# Altium PCB LT3762_Board.PcbDoc (part 1 of 2)
Units mm, origin at the board's own origin, x right, y up, seen from the top; angles counter-clockwise.
Board outline 150 x 110 mm, 2 copper layers (Top Layer, Bottom Layer), stack 1.571 mm thick; 122 components, 141 nets, 506 pads, 204 vias.
Unrouted connection lines stored in the file: 181.
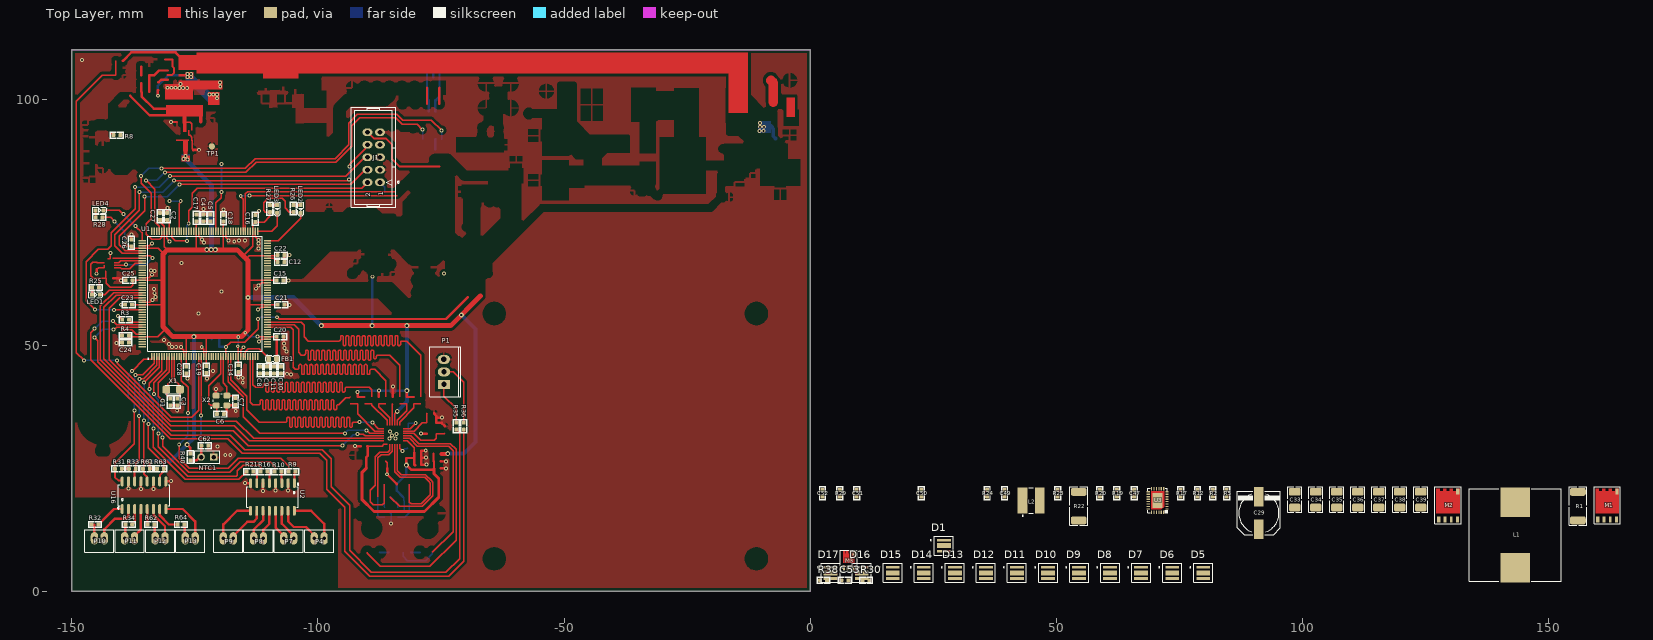
[diagram p0: Top Layer view]
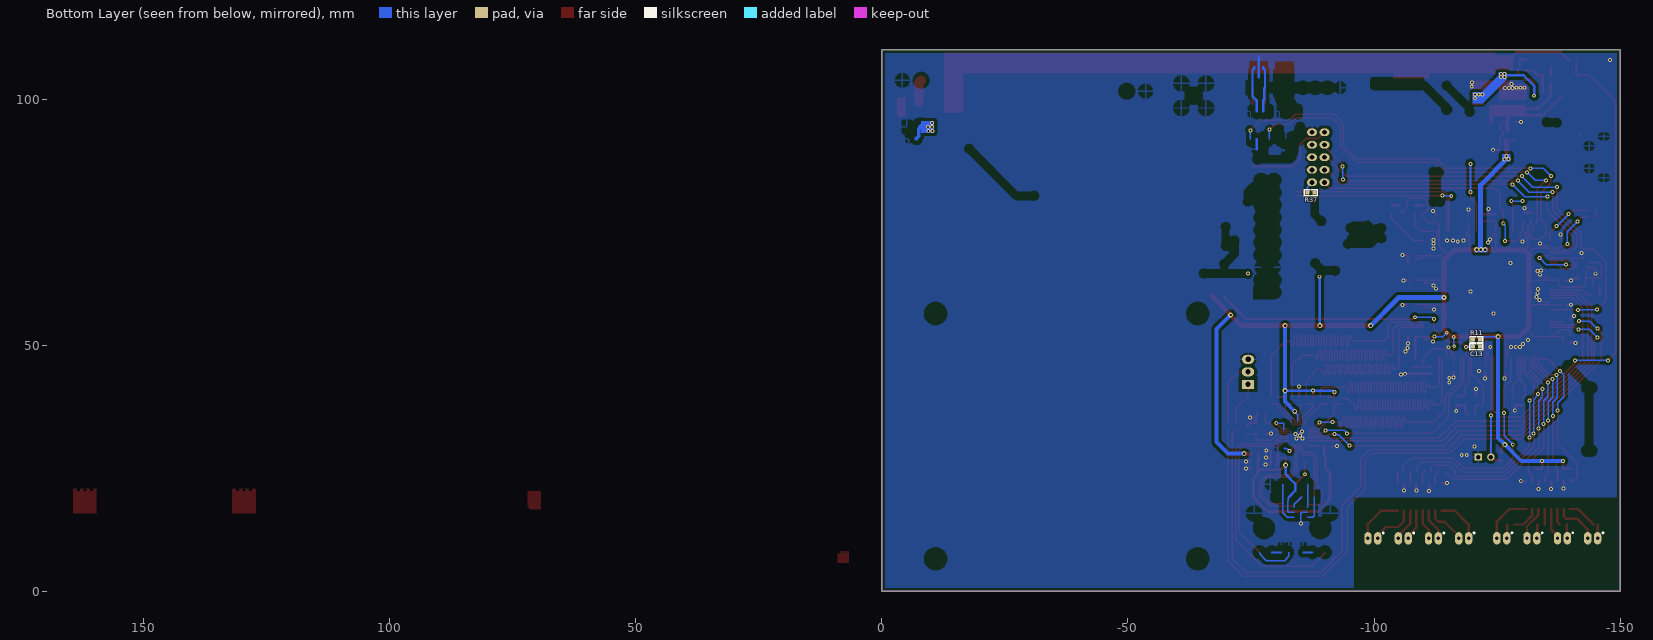
[diagram p1: Bottom Layer view, seen from below]

## Layer stack, top to bottom
Top Solder: solder mask 0.0102, Solder Resist, Dk 3.5
Top Layer: signal copper 0.0356
Dielectric 1: dielectric 1.5, FR-4, Dk 4.8
Bottom Layer: signal copper 0.0356
Bottom Solder: solder mask 0.0102, Solder Resist, Dk 3.5

## Board outline
-149.996,0.006 -149.996,110.006 0.004,110.006 0.004,0.006

## Design rules (kind name [scope] priority, off if disabled: settings)
AcuteAngle [All] p1 off: minimum=4.00000000000000E+0001 checktracksonly=TRUE
BoardOutlineClearance [All] p1: gap=0.2 ignorepadtopadclearanceinfootprint=FALSE
Clearance Poly_Clearance [All vs InPolygon] p1: gap=0.6 ignorepadtopadclearanceinfootprint=TRUE
Clearance [All] p2: gap=0.2 ignorepadtopadclearanceinfootprint=TRUE
DiffPairsRouting [IsDifferentialPair] p1: maxlimit=0.2 minlimit=0.2 mostfreqgap=0.2 toplayer_minwidth=0.3 toplayer_maxwidth=0.3 toplayer_prefwidth=0.3 bottomlayer_minwidth=0.3 bottomlayer_maxwidth=0.3 bottomlayer_prefwidth=0.3 impedanceprofiledriven=TRUE impedanceprofileid={2EFD21D1-4BE4-4069-921C-6C90A30C849C} impedanceprofilevalue=100.000000 maxuncoupledlength=12.7
HoleSize [All] p1: absolutevalues=TRUE maxlimit=10 minlimit=0.4 maxpercent=80.000 minpercent=20.000
HoleToHoleClearance [All] p1: gap=0.3 allowstackedmicrovias=TRUE
MatchedLengths [InNetClass('ETHERNET')] p1: tolerance=10 checknetsindiffpair=FALSE checkdiffpairvsdiffpair=TRUE checkxsignals=TRUE checkothers=TRUE
MinimumAnnularRing [All] p1: minimumring=0.15
MinimumSolderMaskSliver [All] p1: minsoldermaskwidth=0.01
PolygonConnect [All] p1: thpad.connectstyle=Relief thpad.reliefconductorwidth=0.4 thpad.reliefentries=4 thpad.polygonreliefangle="90 Angle" thpad.airgapwidth=0.4 smdpad.connectstyle=Relief smdpad.reliefconductorwidth=0.4 smdpad.reliefentries=4 smdpad.polygonreliefangle="90 Angle" smdpad.airgapwidth=0.254 via.connectstyle=Direct via.reliefconductorwidth=0.4 via.reliefentries=4 via.polygonreliefangle="90 Angle" via.airgapwidth=0.254
RoutingVias [All] p1: holewidth=0.4 width=0.7 viastyle="Through Hole" minholewidth=0.4 minwidth=0.7 maxholewidth=3 maxwidth=6
SilkToSolderMaskClearance [IsPad] p1 off: minsilkscreentomaskgap=0.01 clearancetoexposedcopper=TRUE
SolderMaskExpansion [All] p1: expansion=0.102 istentingtop=FALSE
SupplyNets "Schematic Supply Nets_6" [InNet('GND')] p1: voltage=0.000
SupplyNets "Schematic Supply Nets_4" [InNet('VDDA')] p2: voltage=0.000
SupplyNets "Schematic Supply Nets_2" [InNet('VBUS_FS1')] p3: voltage=0.000
SupplyNets "Schematic Supply Nets_1" [InNet('VDD_MCU')] p4: voltage=0.000
SupplyNets "Schematic Supply Nets" [InNet('Vin_Pr')] p5: voltage=0.000
Width [All] p1: maxlimit=2 minlimit=0.28 preferedwidth=0.5
25 further rules are at their usual default settings.

## Classes and differential pairs
component class Designator: C29 C33 C34 C35 C36 C37 C38 C39 C47 C49 C50 C51 C52 D1 D5 D6 D7 D8 D9 D10 D11 D12 D13 D14 D15 D16 D17 L1 L2 M1 M2 M3 R1 R2 R5 R12 R17 R19 R20 R22 R23 R24 R29 U3
component class STM32H743IIT6: C1 C2 C3 C4 C5 C6 C7 C8 C9 C10 C11 C12 C13 C14 C15 C16 C17 C18 C19 C20 C21 C22 C23 C24 C25 C26 C27 C28 C53 C62 FB1 J1 LED1 LED2 LED3 LED4 NTC1 P1 P4 P7 P8 P9 P10 P11 P12 P13 R3 R4 R8 R9 R10 R11 R16 R21 R25 R26 R27 R28 R30 R31 R32 R33 R34 R35 R36 R37 R38 R40 R61 R62 R63 R64 TP1 U1 U2 U16 X1 X2

## Components (designator, comment, footprint, x,y, rotation, side; value= is the part's Value field where it differs from the comment)
C1 "1.5pF" C0603 -129.997,38.481 r270 top value=100nF
C2 "2.2uF" C0603 -130.632,76.163 r90 top value=10nF
C3 "1.5pF" C0603 -128.575,38.481 r270 top value=100nF
C4 "1uF" C0603 -123.215,75.844 r270 top value=10nF
C5 "100nF" C0603 -121.793,75.844 r270 top value=10nF
C6 "3.9pF" C0603 -119.812,36.017 r0 top
C7 "3.9pF" C0603 -116.738,38.557 r270 top
C8 "1uF" C0603 -111.76,44.933 r90 top value=10nF
C9 "100nF" C0603 -110.338,44.933 r90 top value=10nF
C10 "1uF" C0603 -107.493,44.933 r90 top value=10nF
C11 "100nF" C0603 -108.915,44.933 r90 top value=10nF
C12 "2.2uF" C0603 -107.518,66.878 r180 top value=10nF
C13 "100nF" C0603 -120.769,49.701 r0 bottom value=100pF
C14 "100nF" C0603 -116.154,45.226 r270 top
C15 "100nF" C0603 -107.696,63.17 r0 top
C16 "100nF" C0603 -112.725,75.706 r90 top
C17 "100nF" C0603 -124.689,75.859 r90 top
C18 "100nF" C0603 -119.177,75.782 r90 top
C19 "100nF" C0603 -122.682,45.06 r270 top
C20 "100nF" C0603 -107.656,51.714 r0 top
C21 "100nF" C0603 -107.467,58.217 r0 top
C22 "100nF" C0603 -107.518,68.301 r0 top
C23 "100nF" C0603 -138.444,58.217 r180 top
C24 "100nF" C0603 -139.079,50.521 r180 top
C25 "100nF" C0603 -138.328,63.195 r180 top
C26 "100nF" C0603 -137.897,70.779 r90 top
C27 "100nF" C0603 -132.08,76.163 r90 top
C28 "100nF" C0603 -126.746,44.969 r270 top
C29 "100uF/35V" C_EL_D8L10 91.083,15.92 r90 top value=220uF
C33 "10uF/50V" C1210 98.373,18.638 r90 top value=-F
C34 "10uF/50V" C1210 102.64,18.638 r90 top value=-F
C35 "10uF/50V" C1210 106.907,18.638 r90 top value=-F
C36 "4.7uF/100V" C1210 111.174,18.638 r90 top value=-F
C37 "4.7uF/100V" C1210 115.442,18.638 r90 top value=-F
C38 "4.7uF/100V" C1210 119.709,18.638 r90 top value=-F
C39 "4.7uF/100V" C1210 123.976,18.638 r90 top value=-F
C47 "100nF" C0603 65.759,19.934 r90 top
C49 "4.7nF" C0603 39.445,19.934 r90 top value=100nF
C50 "100nF" C0603 22.554,19.934 r90 top
C51 "100nF" C0603 9.397,19.934 r90 top
C52 "10uF" C0603 2.462,19.934 r90 top value=100nF
C53 "100nF" C0603 7.009,2.255 r0 top value=100pF
C62 "100nF" C0603 -122.973,29.591 r180 top value=100pF
D1 "SFH_4716AS_A01" LED_SFH_4716AS_A01 27.127,9.289 r0 top
D5 "SFH_4716AS_A01" LED_SFH_4716AS_A01 79.805,3.754 r0 top
D6 "SFH_4716AS_A01" LED_SFH_4716AS_A01 73.506,3.754 r0 top
D7 "SFH_4716AS_A01" LED_SFH_4716AS_A01 67.182,3.754 r0 top
D8 "SFH_4716AS_A01" LED_SFH_4716AS_A01 60.882,3.754 r0 top
D9 "SFH_4716AS_A01" LED_SFH_4716AS_A01 54.583,3.754 r0 top
D10 "SFH_4716AS_A01" LED_SFH_4716AS_A01 48.284,3.754 r0 top
D11 "SFH_4716AS_A01" LED_SFH_4716AS_A01 41.959,3.754 r0 top
D12 "SFH_4716AS_A01" LED_SFH_4716AS_A01 35.66,3.754 r0 top
D13 "SFH_4716AS_A01" LED_SFH_4716AS_A01 29.361,3.754 r0 top
D14 "SFH_4716AS_A01" LED_SFH_4716AS_A01 23.036,3.754 r0 top
D15 "SFH_4716AS_A01" LED_SFH_4716AS_A01 16.737,3.754 r0 top
D16 "SFH_4716AS_A01" LED_SFH_4716AS_A01 10.438,3.754 r0 top
D17 "SFH_4716AS_A01" LED_SFH_4716AS_A01 4.113,3.754 r0 top
FB1 "BLM18KG221SN1D" L0603E -109.195,47.219 r180 top value=100uH
J1 "IDC_2X5" IDC_2X5 -88.671,88.163 r90 top
L1 "10uH, 16.5A" WE-HCI_1890 143.128,11.45 r0 top
L2 "47uH, 0.66A" WE-SPC_4828 44.83,18.46 r90 top
LED1 "LED603BLU" LED0603BLU -145.097,60.249 r0 top
LED2 "LED603GRN" LED0603GRN -103.505,77.648 r270 top
LED3 "LED603RED" LED0603RED -108.28,77.662 r270 top
LED4 "LED603YLW" LED0603YLW -144.336,77.394 r0 top
M1 "BSC019N04LS" PG-TDSON-8 161.822,17.47 r0 top
M2 "BSC019N04LS" PG-TDSON-8 129.513,17.47 r0 top
M3 "SiS443DN" POWERPAK-1212-8-S-5P 6.863,4.745 r0 top
NTC1 "PT103J2" HDR1X2 -121.183,27.286 r180 top
P1 "XH-3" xh-3 -74.399,42.037 r90 top
P4 "JST PH 2mm 2P RIGHT" "JST B2B-PH-K" -99.755,10.77 r0 top
P7 "JST PH 2mm 2P RIGHT" "JST B2B-PH-K" -105.927,10.77 r0 top
P8 "JST PH 2mm 2P RIGHT" "JST B2B-PH-K" -112.065,10.77 r0 top
P9 "JST PH 2mm 2P RIGHT" "JST B2B-PH-K" -118.196,10.77 r0 top
P10 "JST PH 2mm 2P RIGHT" "JST B2B-PH-K" -144.39,10.795 r0 top
P11 "JST PH 2mm 2P RIGHT" "JST B2B-PH-K" -138.252,10.795 r0 top
P12 "JST PH 2mm 2P RIGHT" "JST B2B-PH-K" -132.055,10.795 r0 top
P13 "JST PH 2mm 2P RIGHT" "JST B2B-PH-K" -125.943,10.795 r0 top
R1 "RLP25FEGR005" R2512 155.878,17.317 r90 top value=10K
R2 "499K" R0603 81.736,19.934 r90 top value=1M
R3 "10K" R0603 -139.04,55.169 r180 top value=1K
R4 "10K" R0603 -139.079,51.968 r180 top value=1K
R5 "499k" R0603 84.555,19.934 r90 top
R8 "10K" R0603 -140.829,92.659 r0 top value=1K
R9 "220" R0603 -105.232,24.333 r0 top value=1K
R10 "220" R0603 -108.077,24.333 r0 top value=1K
R11 "10K" R0603 -120.78,51.149 r0 bottom value=1K
R12 "1M" R0603 78.637,19.934 r90 top
R16 "220" R0603 -110.936,24.333 r0 top value=1K
R17 "226k" R0603 75.233,19.934 r90 top
R19 "49.9K" R0603 62.254,19.934 r90 top value=205k
R20 "23.2K" R0603 58.8,19.934 r90 top value=36.5k
R21 "220" R0603 -113.792,24.333 r0 top value=1K
R22 "RLP25FEGR100" R2512 54.507,17.317 r90 top value=10K
R23 "10K" R0603 50.214,19.934 r90 top value=1K
R24 "2.7K" R0603 35.889,19.934 r90 top value=1K
R25 "220" R0603 -145.15,61.722 r180 top value=1K
R26 "220" R0603 -104.978,77.748 r90 top value=1K
R27 "220" R0603 -109.753,77.738 r90 top value=1K
R28 "220" R0603 -144.424,75.946 r180 top value=1K
R29 "19.6K" R0603 5.993,19.934 r90 top value=1K
R30 "100K" R0603 11.327,2.255 r0 top
R31 "4.7K" R0603 -140.524,24.892 r0 top value=1K
R32 "220" R0603 -145.277,13.589 r0 top value=1K
R33 "4.7K" R0603 -137.693,24.892 r180 top value=1K
R34 "220" R0603 -138.416,13.589 r0 top value=1K
R35 "22" R0603 -71.882,33.565 r270 top value=1K
R36 "22" R0603 -70.383,33.553 r270 top value=1K
R37 "NA" R0603 -87.16,80.977 r180 bottom value=1K
R38 "10K" R0603 2.691,2.255 r0 top
R40 "4.7K" R0603 -125.908,27.305 r270 top value=1K
R61 "4.7K" R0603 -134.849,24.892 r0 top value=1K
R62 "220" R0603 -133.898,13.589 r180 top value=1K
R63 "4.7K" R0603 -131.99,24.892 r180 top value=1K
R64 "220" R0603 -127.827,13.589 r180 top value=1K
TP1 "TEST POINT" TEST_POINT -121.539,90.373 r90 top
U1 "STM32H743IIT6" QFP50P2600X2600X160-176N -122.961,60.427 r90 top locked
U2 "TLP281-4" SO_16 -109.245,19.177 r270 top
U3 "LT3762EUFD" QFN-28-4X5 70.534,18.486 r90 top
U16 "TLP281-4" SO_16 -135.306,19.533 r90 top
X1 "ABS07-32.768KHZ-T" XTL_2_3215 -129.413,40.996 r180 top value=XTL_32.768KHz
X2 "XTL_25MHz 32x25" XTL_4_3225 -119.583,38.76 r90 top

## Footprints (in the part's own frame and the unit in brackets; to place one, negate y for a bottom-side part, rotate by r counter-clockwise, add the part's x,y. Pads: shape width x height; smd on the part's side, far side on the other; paste and mask are expansions set on the pad)
C0603 [mm] "CHIP Capacitor, 1.6X0.8mm, 0603 OPTIMIZED"
  rrect50% 0.8x0.8 smd paste-5 mask+0.075: 1(-0.7,0) 2(0.7,0)
  Top Layer pour cut-out: -0.5,0.4 0.5,0.4 0.5,-0.4 -0.5,-0.4
  silkscreen extent -1.4,-0.7 1.4,0.7, body extent -0.8,-0.4 0.8,0.4, height 0.9
C1210 [mm] "CHIP Capacitor, 3.2X2.5mm, 1210, 3225"
  rrect50% 1.6x2.4 smd paste-0.1 mask+0.075: 1(-1.6,0) 2(1.6,0)
  Top Layer pour cut-out: -0.8,1.3 -0.8,-1.3 0.8,-1.3 0.8,1.3
  silkscreen extent -2.6,-1.4 2.6,1.4, body extent -1.6,-1.25 1.6,1.25, height 1
C_EL_D8L10 [mm] "Electrolytic Cap, Size E, Size F, 8.3X10"
  rect 4x2 smd: 1(-3.3,0) 2(3.3,0)
  Top Layer pour cut-out: 2.794,4.191 2.794,-4.191 -2.794,-4.191 -2.794,4.191
  silkscreen extent -4.4,-4.4 4.4,4.4, body extent -4.9,-4.25 4.8,4.25, height 10.3
HDR1X2 [mm] "Connector; Header; 2 Position"
  rect 1.5x1.5 hole 0.9: 1(0,0)
  round 1.5 hole 0.9: 2(2.54,0)
  silkscreen extent -1.27,-1.27 3.81,1.27
IDC_2X5 [mm] "IDC, HEADER BOX 2X5, 10p, 2.54mm pitch"
  oval 1.5x2 hole 1 mask+0.1: 1(-5.08,-1.27) 2(-5.08,1.27) 3(-2.54,-1.27) 4(-2.54,1.27) 5(0,-1.27) 6(0,1.27) 7(2.54,-1.27) 8(2.54,1.27) 9(5.08,-1.27) 10(5.08,1.27)
  silkscreen extent -10.16,-5.2 10.16,4.6, body extent -10.18,-4.42 10.18,4.75, height 9.13
"JST B2B-PH-K" [mm]
  oval 1.5x2.5 hole 0.7: 1(-1,0) 2(1,0)
  silkscreen extent -2.95,-2.8 2.95,1.7, body extent -2.95,-2.8 2.95,1.7, height 6
L0603E [mm] "INDUCTOR, FERRITE BEAD, 0603, 1.6X0.8mm, EXPANDED PAD"
  rrect50% 1x1.2 smd mask+0.05: 1(-0.8,0) 2(0.8,0)
  silkscreen extent -1.43,-0.72 1.43,0.72, body extent -0.8,-0.4 0.8,0.4, height 0.95
LED0603BLU [mm] "LED SMD 0603, BLUE"
  rect 0.8x0.8 smd paste-5 mask+0.075: 1(-0.8,0)
  rrect50% 0.8x0.8 smd paste-5 mask+0.075: 2(0.8,0)
  silkscreen extent -1.4,-0.6 1.4,0.6, body extent -0.8,-0.4 0.8,0.4, height 0.5
LED0603GRN [mm] "LED SMD 0603, GREEN"
  rect 0.8x0.8 smd paste-5 mask+0.075: 1(-0.8,0)
  rrect50% 0.8x0.8 smd paste-5 mask+0.075: 2(0.8,0)
  silkscreen extent -1.4,-0.6 1.4,0.6, body extent -0.8,-0.4 0.8,0.4, height 0.5
LED0603RED [mm] "LED SMD 0603, RED"
  rect 0.8x0.8 smd paste-5 mask+0.075: 1(-0.8,0)
  rrect50% 0.8x0.8 smd paste-5 mask+0.075: 2(0.8,0)
  silkscreen extent -1.4,-0.6 1.4,0.6, body extent -0.8,-0.4 0.8,0.4, height 0.5
LED0603YLW [mm] "LED SMD 0603, YELLOW"
  rect 0.8x0.8 smd paste-5 mask+0.075: 1(-0.8,0)
  rrect50% 0.8x0.8 smd paste-5 mask+0.075: 2(0.8,0)
  silkscreen extent -1.4,-0.6 1.4,0.6, body extent -0.8,-0.4 0.8,0.4, height 0.5
LED_SFH_4716AS_A01 [mm]
  rect 2.8x0.55 smd paste-2 mask+0: A1(0,-1.125) C(0,1.125)
  rect 2.8x1 smd paste-2 mask+0: A2(0,0)
  silkscreen extent -2.74,-1.92 1.92,1.92
PG-TDSON-8 [mm]
  rect 0.65x1.2 smd: 1(-1.905,-2.857) 4(1.905,-2.857)
  rect 0.55x1.2 smd: 2(-0.635,-2.857) 3(0.635,-2.857)
  rect 0.68x1.2 smd: 5(1.995,2.792)
  Top Layer region: -2.349,-1.613 2.337,-1.613 2.337,3.391 1.651,3.391 1.651,2.896 0.96,2.896 0.96,3.391 0.361,3.391 0.361,2.896 -0.37,2.896 -0.37,3.391 -0.97,3.391 -0.97,2.896 -1.664,2.896 -1.664,3.391 -2.349,3.391 -2.349,-1.613
  silkscreen extent -2.67,-3.75 2.67,3.75
POWERPAK-1212-8-S-5P [mil]
  rect 16x39 smd: 1(0,0) 2(25.6,0) 3(51.2,0) 4(76.8,0) 5(76.8,115.2)
  Top Layer region: 43.2,134.69 59.23,134.69 59.23,95.71 43.2,95.71 43.2,134.69
  Top Layer region: 17.61,134.7 33.64,134.7 33.64,95.71 17.61,95.71 17.61,134.7
  Top Layer region: -8.02,134.73 8.01,134.73 8.01,95.74 -8.02,95.74 -8.02,134.73
  Top Layer region: -5.91,112.6 82.28,112.6 82.28,44.09 -5.91,44.09 -5.91,112.6
  silkscreen extent -31,-26 106,141
QFN-28-4X5 [mm]
  rect 0.25x0.7 smd: 1(-1.75,-1.9) 2(-1.25,-1.9) 3(-0.75,-1.9) 4(-0.25,-1.9) 5(0.25,-1.9) 6(0.75,-1.9) 7(1.25,-1.9) 8(1.75,-1.9) 15(1.75,1.9) 16(1.25,1.9) 17(0.75,1.9) 18(0.25,1.9) 19(-0.25,1.9) 20(-0.75,1.9) 21(-1.25,1.9) 22(-1.75,1.9)
  rect 0.7x0.25 smd: 9(2.4,-1.25) 10(2.4,-0.75) 11(2.4,-0.25) 12(2.4,0.25) 13(2.4,0.75) 14(2.4,1.25) 23(-2.4,1.25) 24(-2.4,0.75) 25(-2.4,0.25) 26(-2.4,-0.25) 27(-2.4,-0.75) 28(-2.4,-1.25)
  rect 3x2 smd: 29(0,0)
  Top Layer region: -1.825,1.325 -1.825,-0.779 -1.279,-1.325 1.825,-1.325 1.825,1.325 -1.825,1.325
  silkscreen extent -2.5,-2.03 2.5,2
QFP50P2600X2600X160-176N [mm]
  rect 1.45x0.3 smd: 1(-12.725,10.75) 2(-12.725,10.25) 3(-12.725,9.75) 4(-12.725,9.25) 5(-12.725,8.75) 6(-12.725,8.25) 7(-12.725,7.75) 8(-12.725,7.25) 9(-12.725,6.75) 10(-12.725,6.25) 11(-12.725,5.75) 12(-12.725,5.25) 13(-12.725,4.75) 14(-12.725,4.25) 15(-12.725,3.75) 16(-12.725,3.25) 17(-12.725,2.75) 18(-12.725,2.25) 19(-12.725,1.75) 20(-12.725,1.25) 21(-12.725,0.75) 22(-12.725,0.25) 23(-12.725,-0.25) 24(-12.725,-0.75) 25(-12.725,-1.25) 26(-12.725,-1.75) 27(-12.725,-2.25) 28(-12.725,-2.75) 29(-12.725,-3.25) 30(-12.725,-3.75) 31(-12.725,-4.25) 32(-12.725,-4.75) 33(-12.725,-5.25) 34(-12.725,-5.75) 35(-12.725,-6.25) 36(-12.725,-6.75) 37(-12.725,-7.25) 38(-12.725,-7.75) 39(-12.725,-8.25) 40(-12.725,-8.75) 41(-12.725,-9.25) 42(-12.725,-9.75) 43(-12.725,-10.25) 44(-12.725,-10.75) 89(12.725,-10.75) 90(12.725,-10.25) 91(12.725,-9.75) 92(12.725,-9.25) 93(12.725,-8.75) 94(12.725,-8.25) 95(12.725,-7.75) 96(12.725,-7.25) 97(12.725,-6.75) 98(12.725,-6.25) 99(12.725,-5.75) 100(12.725,-5.25) 101(12.725,-4.75) 102(12.725,-4.25) 103(12.725,-3.75) 104(12.725,-3.25) 105(12.725,-2.75) 106(12.725,-2.25) 107(12.725,-1.75) 108(12.725,-1.25) 109(12.725,-0.75) 110(12.725,-0.25) 111(12.725,0.25) 112(12.725,0.75) 113(12.725,1.25) 114(12.725,1.75) 115(12.725,2.25) 116(12.725,2.75) 117(12.725,3.25) 118(12.725,3.75) 119(12.725,4.25) 120(12.725,4.75) 121(12.725,5.25) 122(12.725,5.75) 123(12.725,6.25) 124(12.725,6.75) 125(12.725,7.25) 126(12.725,7.75) 127(12.725,8.25) 128(12.725,8.75) 129(12.725,9.25) 130(12.725,9.75) 131(12.725,10.25) 132(12.725,10.75)
  rect 0.3x1.45 smd: 45(-10.75,-12.725) 46(-10.25,-12.725) 47(-9.75,-12.725) 48(-9.25,-12.725) 49(-8.75,-12.725) 50(-8.25,-12.725) 51(-7.75,-12.725) 52(-7.25,-12.725) 53(-6.75,-12.725) 54(-6.25,-12.725) 55(-5.75,-12.725) 56(-5.25,-12.725) 57(-4.75,-12.725) 58(-4.25,-12.725) 59(-3.75,-12.725) 60(-3.25,-12.725) 61(-2.75,-12.725) 62(-2.25,-12.725) 63(-1.75,-12.725) 64(-1.25,-12.725) 65(-0.75,-12.725) 66(-0.25,-12.725) 67(0.25,-12.725) 68(0.75,-12.725) 69(1.25,-12.725) 70(1.75,-12.725) 71(2.25,-12.725) 72(2.75,-12.725) 73(3.25,-12.725) 74(3.75,-12.725) 75(4.25,-12.725) 76(4.75,-12.725) 77(5.25,-12.725) 78(5.75,-12.725) 79(6.25,-12.725) 80(6.75,-12.725) 81(7.25,-12.725) 82(7.75,-12.725) 83(8.25,-12.725) 84(8.75,-12.725) 85(9.25,-12.725) 86(9.75,-12.725) 87(10.25,-12.725) 88(10.75,-12.725) 133(10.75,12.725) 134(10.25,12.725) 135(9.75,12.725) 136(9.25,12.725) 137(8.75,12.725) 138(8.25,12.725) 139(7.75,12.725) 140(7.25,12.725) 141(6.75,12.725) 142(6.25,12.725) 143(5.75,12.725) 144(5.25,12.725) 145(4.75,12.725) 146(4.25,12.725) 147(3.75,12.725) 148(3.25,12.725) 149(2.75,12.725) 150(2.25,12.725) 151(1.75,12.725) 152(1.25,12.725) 153(0.75,12.725) 154(0.25,12.725) 155(-0.25,12.725) 156(-0.75,12.725) 157(-1.25,12.725) 158(-1.75,12.725) 159(-2.25,12.725) 160(-2.75,12.725) 161(-3.25,12.725) 162(-3.75,12.725) 163(-4.25,12.725) 164(-4.75,12.725) 165(-5.25,12.725) 166(-5.75,12.725) 167(-6.25,12.725) 168(-6.75,12.725) 169(-7.25,12.725) 170(-7.75,12.725) 171(-8.25,12.725) 172(-8.75,12.725) 173(-9.25,12.725) 174(-9.75,12.725) 175(-10.25,12.725) 176(-10.75,12.725)
  silkscreen extent -13.32,-11.65 11.65,11.65, body extent -13,-13 13,13, height 1.6
R0603 [mm] "CHIP Resistor 1/10 WATT, 1.6x0.8mm, 0603, OPTIMIZED"
  rrect50% 0.8x0.8 smd paste-5 mask+0.075: 1(-0.7,0) 2(0.7,0)
  Top Layer pour cut-out: -0.5,0.4 0.5,0.4 0.5,-0.4 -0.5,-0.4
  silkscreen extent -1.4,-0.7 1.4,0.7, body extent -0.85,-0.4 0.85,0.4, height 0.56
R2512 [mm] "CHIP RESISTOR 1 WATT, 6.4X3.2mm, 2512, 6432"
  rrect50% 1.6x3.2 smd: 1(-2.9,0) 2(2.9,0)
  Top Layer pour cut-out: -2.4,1.9 2.4,1.9 2.4,-1.9 -2.4,-1.9
  silkscreen extent -3.9,-1.8 3.9,1.8, body extent -3.17,-1.5 3.18,1.5, height 1.6
SO_16 [mm] "SOP, SOIC, 3.9mm width, 1.27mm pitch,"
  oval 2x0.6 smd: 1(-2.8,4.445) 2(-2.8,3.175) 3(-2.8,1.905) 4(-2.8,0.635) 5(-2.8,-0.635) 6(-2.8,-1.905) 7(-2.8,-3.175) 8(-2.8,-4.445) 9(2.8,-4.445) 10(2.8,-3.175) 11(2.8,-1.905) 12(2.8,-0.635) 13(2.8,0.635) 14(2.8,1.905) 15(2.8,3.175) 16(2.8,4.445)
  silkscreen extent -2.8,-5.2 2.1,5.4, body extent -3.1,-4.95 3.1,4.95, height 1.7
TEST_POINT [mm]
  round 1.25 smd: 1(0,0)
WE-HCI_1890 [mm] "SMT Flat Wire High Current Inductor, body 18.2x18.2mm"
  rect 6x6 smd: 1(0,6.65) 2(0,-6.65)
  silkscreen extent -9.35,-9.35 9.35,9.35, body extent -9.1,-9.15 9.1,9.15, height 8.9
WE-SPC_4828 [mm] "SMD Shielded Power Inductor, body 4.8x4.8mm"
  rect 5.3x2 smd: 1(0,1.75) 2(0,-1.75)
  silkscreen extent -3.22,-0.45 2.55,1.82, body extent -2.41,-2.41 2.41,2.41, height 2.8
xh-3 [mm]
  rect 1.8x2.5 hole 1.1: 1(0,0)
  oval 1.8x2.5 hole 1.1: 2(2.54,0) 3(5.08,0.023)
  silkscreen extent -2.54,-3.43 7.62,2.92, body extent -2.41,-3.31 7.49,2.79, height 7
XTL_2_3215 [mm] "ABS07 3.2x1.5mm"
  rrect50% 1.6x1.6 smd mask+0.075: 1(-1.4,0) 2(1.4,0)
  Top Layer pour cut-out: -1.4,0.8 -1.4,-0.8 1.4,-0.8 1.4,0.8
  silkscreen extent -1.6,-0.9 1.6,0.9, body extent -1.61,-0.76 1.61,0.76, height 0.91
XTL_4_3225 [mm] "CRYSTAL OSCILATOR 3.2X2.5mm, ABM8, CDFN-4"
  rrect50% 1.2x1.4 smd: 1(-1,1.1) 2(-1,-1.1) 3(1,-1.1) 4(1,1.1)
  Top Layer pour cut-out: -1.6,1.8 -1.6,-1.8 1.6,-1.8 1.6,1.8
  silkscreen extent -1.6,-1.7 1.4,2.2, body extent -1.25,-1.6 1.25,1.6, height 0.61

## Part data
C1 C3: library part Capacitor_ST, Revision="July-2002: Re-released for DXP Platform."
C2 C4 C5 C8 C9 C10 C11 C12: library part Cap, Published=8-Jun-2000, Publisher="Altium Limited", Revision="July-2002: Re-released for DXP Platform."
C6 C7 C13 C14 C15 C16 C17 C18 C19 C20 C21 C22 C23 C24 C25 C26 C27 C28 C47 C49 C50 C51 C52 C53 C62: library part CAP
  C13 C14 C15 C16 C17 C18 C19 C20 C21 C22 C23 C24 C25 C26 C27 C28 C47 C49 C50 C51 C52 C53 C62: Published=8-Jun-2000, Publisher="Altium Limited", Revision="July-2002: Re-released for DXP Platform."
C29: library part CAP_SMD_EL_220uF_35v, "CAP, SMD, ELEC,", ASSEMBLY=ASSEMBLY, DESC=DESCRIPTION, DIST#=MOUSER, MANF=MANF, MANF_P#=MANF_PART#, PARAM=20%, PARAM2=35v, PRICE="10= -$"
C33 C34 C35 C36 C37 C38 C39: library part CAP_SMD_MLCC_1210, "CAP, MLCC", ASSEMBLY=ASSEMBLY, MANF=-, MANF_P#=MANF_PART#, PARAM="-, -%", PARAM2=-V, PN=GRM32ER71H106KA12L, PRICE="100= 1$"
D1 D5 D6 D7 D8 D9 D10 D11 D12 D13 D14 D15 D16 D17: "OSLON Black Series (850 nm) - 150Â°", Package=None, Availability=Unavailable, MP=SFH_4716AS_A01, PRICE=None
FB1: library part Inductor, "Ferrite Bead", Published=8-Jun-2000, Publisher="Altium Limited", Revision="July-2002: Re-released for DXP Platform."
J1: "CONN, IDC, Male, pitch: 2.54mm, 10POS"
L1: library part 74435561100, "WE-HCI SMT Flat Wire High Current Inductor, size 1890, 10uH, 16.5A, 6.9mOhm", Case/Size Code=1890, DC Resistance=6.9mOhm, Inductance=10uH, Manufacturer="Wurth Elektronik", Operating Temperature Max=150°C, Operating Temperature Min=-40°C, Performance Rated Current=16.5A, Saturation Current=21.5A, Self Resonant Frequency=14MHz, Category="Power Inductors", ComponentLink1Description="Website Link", ComponentLink1URL=https://www.we-online.com/redexpert/article/74435561100?ad, ComponentLink2Description="Datasheet Link", ComponentLink2URL=https://www.we-online.com/redexpert/spec/74435561100?ad, Height=8.9mm, Length=18.2mm, Manufacturer Part Number=74435561100, Match Code=WE-HCI, Material="WE-PERM 2", Mount="Surface Mount", Packaging="Tape and Reel", PN="Wurth Elektronik 74435561100", Width=18.2mm
L2: library part 74408942470, "WE-SPC SMT Power Inductor, size 4828, 47uH, 0.66A, 0.608Ohm", Case/Size Code=4828, DC Resistance=0.515Ohm, DC Resistance Max=0.608Ohm, Inductance=47uH, Manufacturer="Wurth Elektronik", Operating Temperature Max=125°C, Operating Temperature Min=-40°C, Rated Current=0.66A, Saturation Current=1A, Self Resonant Frequency=10MHz, Category="Power Inductors", ComponentLink1Description="Website Link", ComponentLink1URL=https://www.we-online.com/redexpert/article/74408942470?ad, ComponentLink2Description="Datasheet Link", ComponentLink2URL=https://www.we-online.com/redexpert/spec/74408942470?ad, Height=2.8mm, Length=4.8mm, Manufacturer Part Number=74408942470, Match Code=WE-SPC, Mount="Surface Mount", Packaging="Tape and Reel", PN="Wurth Elektronik 74408942470", Width=4.8mm
LED1: library part LED_SMD_0603_BLU, "LED, SMD, 0603, BLUE", ASSEMBLY=ASSEMBLY, DESC=DESCRIPTION, MANF=MANF, MANF_P#=MANF_PART#, PARAM="30mA, 470nm, 120° Angle", PARAM2=2.2~3V, PRICE=PRICE
LED2: library part LED_SMD_0603_GRN, "LED, SMD, 0603, GREEN", ASSEMBLY=ASSEMBLY, DESC=DESCRIPTION, MANF=Kingbright, MANF_P#=APT1608SGC, PARAM=20mA, PARAM2=2.2V, PRICE="1: 0.14$, 100: 6.8$"
LED3: library part LED_SMD_0603_RED, "LED, SMD, 0603, RED", ASSEMBLY=ASSEMBLY, DESC=DESCRIPTION, MANF=MANF, MANF_P#=MANF_PART#, PARAM="30mA, 640nm", PARAM2=1.8~2.5V, PRICE=PRICE
LED4: library part LED_SMD_0603_YLW, "LED, SMD, 0603, YELLOW", ASSEMBLY=ASSEMBLY, DESC=DESCRIPTION, MANF=MANF, MANF_P#=MANF_PART#, PARAM2=2.2V, PRICE=PRICE
M1 M2: library part 2N7000_6, PCB Footprint=PG-TDSON-8
  M1: Part Reference=M2
  M2: Part Reference=M1
M3: library part SI4463BDY_1, 4TH PART FIELD=VISHAY, 5TH PART FIELD=Si4463BDY, 7th Part Field=P-MOSFET, Part Reference=M5, PCB Footprint=POWERPAK-1212-8-S-5P
NTC1: library part "NTC power", "THERMISTOR 10K OHM +/-0.20 C", Device Code=143161
P1: library part "Header 3", "Header, 3-Pin", LatestRevisionDate=17-Jul-2002, LatestRevisionNote="Re-released for DXP Platform.", Publisher="Altium Limited"
P4 P7 P8 P9 P10 P11 P12 P13: library part PHOENIX_1803426, "JST PH 2P RIGHT", Manufacturer="PHOENIX CONTACT", Manufacturer Part Number="1803426 (MCV 1,5/2-G-3,81)", Author="CERN DEM JLC", Component Type=Standard, ComponentHeight=9.2mm, CreateDate=5/4/2010, HelpURL=\\cern.ch\dfs\Applications\Altium\Datasheets\PHOENIX_1803426.pdf, LatestRevisionDate=5/4/2010, Mounted=Yes, Part Description="8A 160 V, Pitch: 3.81mm, 2 Positions Header", Part Number=PHOENIX_1803426, Pin Count=2, PressFit=No, Sense=No, SMD=No, Socket=No, Status=None
R1: library part RES_SMD_2512, "3W 5mΩ ±50ppm/℃ ±1% 2512 Current Sense Shunt Resistors", ASSEMBLY=ASSEMBLY, DESC=DESCRIPTION, DIST#=MOUSER, MANF=-, MANF_P#=-, PARAM="1%, 1W", PARAM2=-, PRICE=-
R2 R5 R12 R17 R19 R20: library part RES0402, 3rd Part Field=0603, 7th Part Field=Res.,, PCB Footprint=0603
  R2: Part Reference=R3
  R5: Part Reference=R2
  R12: 6th Part Field=1%, Part Reference=R16
  R17: Part Reference=R5
  R19: Part Reference=R4
  R20: 6th Part Field=1%, Part Reference=R17
R3 R35 R36: library part res1, Published=8-Jun-2000, Publisher="Altium Limited", Revision="July-2002: Re-released for DXP Platform."
R4 R8 R9 R10 R11 R16 R21 R23 R24 R25 R26 R27 R28 R29 R31 R32 R33 R34 R37 R40 R61 R62 R63 R64: library part Res1, Published=8-Jun-2000, Publisher="Altium Limited", Revision="July-2002: Re-released for DXP Platform."
R22: library part RES_SMD_2512, "3W 100mΩ ±50ppm/℃ ±1% 2512 Current Sense Shunt Resistors", ASSEMBLY=ASSEMBLY, DESC=DESCRIPTION, DIST#=MOUSER, MANF=-, MANF_P#=-, PARAM="1%, 1W", PARAM2=-, PRICE=-
R30 R38: library part "Resistor SMD"
U1: "Integrated Circuit", Manufacturer_Name=STMicroelectronics, Mouser Part Number=511-STM32H743IIT6, Arrow Part Number=STM32H743IIT6, Arrow Price/Stock=https://www.arrow.com/en/products/stm32h743iit6/stmicroelectronics?region=nac, Datasheet Link=https://componentsearchengine.com/Datasheets/1/STM32H743IIT6.pdf, Height=1.6mm, Manufacturer_Part_Number=STM32H743IIT6, Mouser Price/Stock=https://www.mouser.co.uk/ProductDetail/STMicroelectronics/STM32H743IIT6?qs=FNcb6ahWXRzE163cq8Rfjg%3D%3D
U2 U16: library part OPTC_TR16P_TLP281-4_SMD, "OPTOCOUPLER, TRANSISTOR, QUAD", Package=DIP-16SMD, MANF_P#=TLP281-4A, PRICE=4000t@PAYA
U3: library part LT3932EFE_37, Part Reference=U1, PCB Footprint=QFN-28-4X5
X1: library part XTL_2_32.768_3215A, "Crystal, 32.768KHz, 3pF, 20PPM", MANF=ABRACON, MANF_P#=ABS07W-32.768kHz-D-2-T, PARAM=-40~85oC, PARAM2="3pF, 20PPM", PRICE=1$
X2: library part XTL_4_25MHz_3225, "CRYSTAL 25.00 MHZ 18pF, 10PPM", ASSEMBLY=ASSEMBLY, DESC=DESCRIPTION, DIST#=MOUSER, MANF=EPSON, MANF_P#="TSX-3225 25.0000MF10P-C3", PARAM=10PPM, PARAM2=PARAM, PRICE=0.5$
TP1: Board Qty=100, PCB Name=Main_PCB

## Via types
v1: diameter 0.8, hole 0.4, Top Layer to Bottom Layer, tented both sides, 190 vias
v2: diameter 1, hole 0.5, Top Layer to Bottom Layer, tented both sides, 14 vias

## Nets (pads, with @x,y where several pads share a name; then routed paths per layer and width w, separated by ;. In a path a pad name is that pad's centre, name@x,y a point inside that pad or via, vN(x,y) a via of type N, cw(c..) or ccw(c..) an arc to the next point about the centre after c; other vN are vias at no path point)
ADC_TEMP: C62.2 NTC1.2 R40.2 U1.21 | length 25.2
  Top Layer w0.3: v1(-123.749,35.687) -123.711,35.724 U1.21@-123.711,47.702
  Top Layer w0.5: R40.2@-125.908,26.605 -124.675,26.605 -123.994,27.286 NTC1.2@-123.723,27.286 -123.698,27.311 -123.698,29.566 C62.2@-123.673,29.591
  Bottom Layer w0.5: NTC1.2@-123.749,27.311 v1(-123.749,35.687)
ADC_Vin: C53.2 R30.2 R38.2 U1.20 | length 106.2
  Top Layer w0.3: v1(-147.472,46.914) -149.073,48.514 -149.073,99.593 -143.815,104.851 -141.01,104.851 -141.01,106.299 -141.01,107.747 ; v1(-140.843,46.888) -140.758,46.803 -140.758,46.371 -129.769,35.382 -125.654,35.382 -124.211,36.825 U1.20@-124.211,47.702
  Bottom Layer w0.3: v1(-147.472,46.914) -147.46,46.901 -140.856,46.901 v1(-140.843,46.888)
BOOT0: R3.1 U1.166 | length 2.9
  Top Layer w0.3: R3.1@-138.34,55.169 -138.313,55.169 -137.82,54.677 U1.166@-135.686,54.677
CAN1_RXD: U1.129 | length 78.2
  Top Layer w0.3: v1(-134.912,83.452) -133.172,81.712 -133.172,75.108 -132.211,74.147 U1.129@-132.211,73.152 ; v1(-131.064,85.115) -114.62,85.115 -112.537,87.198 -96.342,87.198 -93.142,90.399 -93.142,94.564 -91.542,96.164 -84.214,96.164 -82.893,94.844 -79.858,94.844 v1(-78.791,93.777)
  Bottom Layer w0.3: v1(-134.912,83.452) -132.728,83.452 v1(-131.064,85.115) ; v1(-78.791,93.777) -78.753,93.739 -78.753,91.901 -78.715,91.863
CAN1_TXD: U1.128 | length 89.9
  Top Layer w0.3: v1(-135.89,84.404) -135.89,82.906 -133.858,80.874 -133.858,75.641 -134.824,74.675 -134.824,72.569 -133.782,71.526 -132.131,71.526 -131.711,71.946 U1.128@-131.711,73.152 ; v1(-131.75,85.903) -114.783,85.903 -112.776,87.909 -96.52,87.909 -93.751,90.678 -93.751,95.123 -91.999,96.876 -83.972,96.876 -82.804,95.707 -76.962,95.707 v1(-74.879,93.624)
  Bottom Layer w0.3: v1(-135.89,84.404) -134.391,85.903 v1(-131.75,85.903) ; -74.905,91.863 -74.892,91.876 -74.892,93.612 v1(-74.879,93.624)
CAN2_RXD: U1.92
CAN2_TXD: U1.93
ETH_MDC: U1.33 | length 84.4
  Top Layer w0.3: U1.33@-117.711,47.702 -117.711,42.934 -114.414,39.637 -114.414,36.843 -111.938,34.366 -107.95,34.366 -106.604,34.366 ccw(c-106.604,34.666) -106.304,34.666 -106.304,35.105 cw(c-106.027,35.105) -105.75,35.105 -105.75,33.627 ccw(c-105.473,33.627) -105.196,33.627 -105.196,35.105 cw(c-104.919,35.105) -104.642,35.105 -104.642,33.627 ccw(c-104.365,33.627) -104.088,33.627 -104.088,35.105 cw(c-103.811,35.105) -103.534,35.105 -103.534,33.627 ccw(c-103.257,33.627) -102.98,33.627 -102.98,35.105 cw(c-102.703,35.105) -102.426,35.105 -102.426,33.627 ccw(c-102.149,33.627) -101.872,33.627 -101.872,35.105 cw(c-101.595,35.105) -101.318,35.105 -101.318,33.627 ccw(c-101.041,33.627) -100.764,33.627 -100.764,35.105 cw(c-100.487,35.105) -100.21,35.105 -100.21,33.627 ccw(c-99.933,33.627) -99.656,33.627 -99.656,35.105 cw(c-99.379,35.105) -99.102,35.105 -99.102,33.627 ccw(c-98.825,33.627) -98.548,33.627 -98.548,35.105 cw(c-98.271,35.105) -97.994,35.105 -97.994,33.627 ccw(c-97.717,33.627) -97.44,33.627 -97.44,35.105 cw(c-97.163,35.105) -96.886,35.105 -96.886,33.627 ccw(c-96.609,33.627) -96.332,33.627 -96.332,35.105 cw(c-96.055,35.105) -95.778,35.105 -95.778,33.627 ccw(c-95.501,33.627) -95.224,33.627 -95.224,35.105 cw(c-94.947,35.105) -94.67,35.105 -94.67,33.627 ccw(c-94.393,33.627) -94.116,33.627 -94.116,35.105 cw(c-93.839,35.105) -93.562,35.105 -93.562,33.627 ccw(c-93.285,33.627) -93.008,33.627 -93.008,34.066 cw(c-92.708,34.066) -92.708,34.366 -92.558,34.366 v1(-91.592,34.366) ; v1(-88.9,34.265) -87.706,33.07 -86.604,33.07
  Bottom Layer w0.3: v1@-91.592,34.315 -88.951,34.315 v1(-88.9,34.265)
ETH_MDIO: U1.42 | length 84.9
  Top Layer w0.3: U1.42@-113.211,47.702 -113.211,42.015 -112.674,41.478 -111.401,41.478 ccw(c-111.401,41.778) -111.101,41.778 -111.101,42.028 cw(c-110.824,42.028) -110.547,42.028 -110.547,40.739 ccw(c-110.27,40.739) -109.993,40.739 -109.993,42.217 cw(c-109.716,42.217) -109.439,42.217 -109.439,40.739 ccw(c-109.162,40.739) -108.885,40.739 -108.885,42.217 cw(c-108.608,42.217) -108.331,42.217 -108.331,40.739 ccw(c-108.054,40.739) -107.777,40.739 -107.777,42.217 cw(c-107.5,42.217) -107.223,42.217 -107.223,40.739 ccw(c-106.946,40.739) -106.669,40.739 -106.669,42.217 cw(c-106.392,42.217) -106.115,42.217 -106.115,40.739 ccw(c-105.838,40.739) -105.561,40.739 -105.561,42.217 cw(c-105.284,42.217) -105.007,42.217 -105.007,40.739 ccw(c-104.73,40.739) -104.453,40.739 -104.453,42.217 cw(c-104.176,42.217) -103.899,42.217 -103.899,40.739 ccw(c-103.622,40.739) -103.345,40.739 -103.345,42.217 cw(c-103.068,42.217) -102.791,42.217 -102.791,40.739 ccw(c-102.514,40.739) -102.237,40.739 -102.237,42.217 cw(c-101.96,42.217) -101.683,42.217 -101.683,40.739 ccw(c-101.406,40.739) -101.129,40.739 -101.129,42.217 cw(c-100.852,42.217) -100.575,42.217 -100.575,40.739 ccw(c-100.298,40.739) -100.021,40.739 -100.021,42.217 cw(c-99.744,42.217) -99.467,42.217 -99.467,40.739 ccw(c-99.19,40.739) -98.913,40.739 -98.913,42.217 cw(c-98.636,42.217) -98.359,42.217 -98.359,40.739 ccw(c-98.082,40.739) -97.805,40.739 -97.805,42.217 cw(c-97.528,42.217) -97.251,42.217 -97.251,40.739 ccw(c-96.974,40.739) -96.697,40.739 -96.697,42.217 cw(c-96.42,42.217) -96.143,42.217 -96.143,40.739 ccw(c-95.866,40.739) -95.589,40.739 -95.589,42.217 cw(c-95.312,42.217) -95.035,42.217 -95.035,40.739 ccw(c-94.758,40.739) -94.481,40.739 -94.481,41.178 cw(c-94.181,41.178) -94.181,41.478 -94.031,41.478 -89.586,41.478 -89.052,40.945 -89.052,39.511
GND: C1.2 C2.2 C3.2 C4.1 C5.1 C6.2 C7.2 C8.1 C9.1 C10.1 C11.1 C12.1 C13.1 C14.2 C15.2 C16.2 C17.2 C18.2 C19.2 C20.2 C21.2 C22.2 C23.2 C24.2 C25.2 C26.2 C27.2 C28.2 C29.2 C33.1 C34.1 C35.1 C36.1 C37.1 C38.1 C39.1 C51.2 C52.2 C53.1 C62.1 D5.C J1.3 J1.5 J1.9 M2.1 M2.2 M2.3 NTC1.1 P1.3 R3.2 R17.1 R19.2 R20.1 R23.2 R24.2 R29.2 R38.1 TP1.1 U1.14 U1.22 U1.37 U1.48 U1.61 U1.71 U1.90 U1.102 U1.113 U1.126 U1.135 U1.148 U1.158 U2.2 U2.4 U2.6 U2.8 U3.4 U3.11 U3.29 U16.9 U16.11 U16.13 U16.15 X2.2 X2.4 | length 78.8
  Top Layer w0.28: v1@-133.796,70.612 v1(-133.655,70.612) ; v1(-130.175,71.069) v1@-130.175,71.156 ; v1(-118.135,71.298) v1@-118.135,71.305 ; v1(-112.141,57.252) v1@-112,57.252 ; v1(-112.09,62.154) v1@-111.976,62.154 ; v1(-111.989,50.724) v1@-111.924,50.724
  Top Layer w0.3: U1.158@-135.686,58.677 -134.16,58.677 v1(-133.629,59.207) ; U1.148@-135.686,63.677 -134.291,63.677 v1(-133.655,64.313) ; U1.135@-135.686,70.177 -134.231,70.177 v1@-133.796,70.612 ; U1.126@-130.711,73.152 -130.711,71.692 v1@-130.175,71.156 ; v1(-127.787,49.606) -127.787,49.556 -127.211,48.98 U1.14@-127.211,47.702 ; U1.113@-124.211,73.152 -124.211,72.091 v1(-123.546,71.425) ; v1(-123.596,49.657) -123.596,49.522 -123.211,49.137 U1.22@-123.211,47.702 ; U1.102@-118.711,73.152 -118.711,71.881 v1@-118.135,71.305 ; U1.37@-115.711,47.702 -115.711,48.957 v1(-115.087,49.581) ; U1.90@-112.711,73.152 -112.711,72.007 -112.104,71.399 v1(-112.065,71.399) ; v1@-112,57.252 -111.575,57.677 U1.61@-110.236,57.677 ; v1@-111.976,62.154 -111.453,62.677 U1.71@-110.236,62.677 ; v1@-111.924,50.724 -111.471,51.177 U1.48@-110.236,51.177
  Top Layer w0.5: -141.602,63.627 -140.462,63.627 v1(-140.005,63.17) -139.992,63.182 -139.041,63.182 C25.2@-139.028,63.195 ; v1(-140.868,50.47) -140.843,50.495 -139.805,50.495 C24.2@-139.779,50.521 ; v1(-140.614,55.905) -140.557,55.848 -140.419,55.848 R3.2@-139.74,55.169 ; v1(-140.005,58.217) C23.2@-139.144,58.217 ; v1(-138.481,20.853) U16.15@-138.481,22.333 ; C26.2@-137.897,71.479 v1(-137.897,72.466) ; v1(-135.941,20.803) U16.13@-135.941,22.333 ; v1(-133.426,20.803) -133.413,20.815 -133.413,22.32 U16.11@-133.401,22.333 ; C27.2@-132.08,76.863 C2.2@-130.632,76.863 -130.607,76.889 -130.607,77.876 v1(-130.581,77.902) ; U16.9@-130.861,22.333 -130.861,22.334 -130.815,22.38 -129.842,22.38 v1(-129.794,22.428) ; C1.2@-129.997,37.781 C3.2@-128.575,37.781 v1(-128.575,36.703) ; C28.2@-126.746,44.269 -126.596,44.119 -126.596,43.416 -126.467,43.287 v1(-126.467,43.205) ; C17.2@-124.689,76.559 -124.681,76.552 C4.1@-123.215,76.552 ; C4.1@-123.215,76.544 C4.1@-123.215,76.552 ; v1(-123.215,77.699) C4.1@-123.215,76.552 ; C19.2@-122.682,44.36 -122.587,44.265 -122.587,43.314 v1(-122.53,43.256) ; C5.1@-121.793,76.544 -121.8,76.552 C4.1@-123.215,76.552 ; v1(-120.726,41.123) -120.705,41.101 -120.705,39.782 X2.4@-120.683,39.76 ; C18.2@-119.177,76.482 v1(-119.177,77.597) ; C6.2@-119.112,36.017 -118.483,36.646 X2.2@-118.483,37.76 -118.435,37.809 -116.787,37.809 C7.2@-116.738,37.857 -116.713,37.832 -116.713,36.652 v1(-116.688,36.627) ; C14.2@-116.154,44.526 -116.141,44.514 -116.141,43.421 v1(-116.129,43.409) ; v1(-114.833,21.971) -114.83,21.974 -113.693,21.974 U2.8@-113.69,21.977 ; C16.2@-112.725,76.406 -111.938,77.194 v1(-111.938,77.241) ; C8.1@-111.76,44.233 C9.1@-110.338,44.233 C11.1@-108.915,44.233 C10.1@-107.493,44.233 -107.475,44.214 -106.317,44.214 v1(-106.299,44.196) ; v1(-111.176,20.371) -111.163,20.383 -111.163,21.964 U2.6@-111.15,21.977 ; U2.4@-108.61,21.977 -108.598,21.964 -108.598,20.46 v1(-108.585,20.447) ; C15.2@-106.996,63.17 v1(-105.994,63.17) ; C20.2@-106.956,51.714 -106.92,51.678 -106.92,50.354 v1(-106.883,50.317) ; C12.1@-106.818,66.878 C22.2@-106.818,68.301 -106.805,68.313 -105.778,68.313 v1(-105.766,68.326) ; C21.2@-106.767,58.217 -106.742,58.191 -105.766,58.191 v1(-105.74,58.166) ; U2.2@-106.07,21.977 -106.058,21.964 -106.058,20.485 v1(-106.045,20.472)
  other v1: -117.805,27.661 -118.821,27.711 -120.421,29.439 -115.265,42.443 -115.265,43.383 -105.435,44.044 -121.31,44.78 -106.35,48.692 -106.807,49.403 -129.667,49.606 -128.778,49.632 -130.226,50.241 -131.242,51.079 -124.257,56.413 -133.02,59.766 -133.172,60.554 -119.583,60.884 -133.325,61.417 -112.598,61.468 -133.147,65.1 -133.934,65.176 -127.711,66.675 -112.065,69.621 -112.039,70.637 -123.139,70.891 -116.992,71.069 -114.808,71.222 -116.027,71.298 -147.879,107.925
GPIO3_C6_u_3V3: U1.74
GPS_PPS: U1.67
GPS_RESET: U1.66
GPS_RXD: U1.69
GPS_TXD: U1.68
I2C3_SCL_M0_3V3: U1.84
I2C3_SDA_M0_3V3: U1.85
Input1: R31.1 U1.1 U16.16 | length 31.5
  Top Layer w0.3: R31.1@-141.224,24.892 -141.224,26.06 -137.287,29.997 v1(-137.287,36.779) ; v1(-137.744,44.755) -135.372,47.127 -133.711,47.127 U1.1@-133.711,47.702
  Top Layer w0.4: R31.1@-141.224,24.892 -141.224,23.216 -140.497,22.488 -139.843,22.488 -139.751,22.396 U16.16@-139.751,22.333
  Bottom Layer w0.3: v1(-137.744,44.755) -138.532,43.967 -138.532,39.522 -137.287,38.278 v1(-137.287,36.779)
Input2: R33.1 U1.2 U16.14 | length 28.6
  Top Layer w0.3: v1(-137.008,43.917) -136.957,43.967 -135.56,43.967 -133.211,46.316 U1.2@-133.211,47.702 ; R33.1@-136.993,24.892 -136.993,25.998 -136.296,26.695 v1(-136.296,35.611)
  Top Layer w0.4: U16.14@-137.211,22.333 -137.211,24.675 R33.1@-136.993,24.892
  Bottom Layer w0.3: v1(-137.008,43.917) -137.008,43.781 -137.236,43.553 -137.236,39.395 -136.296,38.456 v1(-136.296,35.611)
Input3: R61.1 U1.3 U16.12 | length 28.1
  Top Layer w0.3: v1(-136.271,43.155) -136.234,43.192 -135.421,43.192 -132.711,45.901 U1.3@-132.711,47.702 ; R61.1@-135.549,24.892 -135.357,25.084 v1(-135.357,34.747)
  Top Layer w0.4: R61.1@-135.549,24.892 -135.349,24.692 -135.349,23.919 -134.709,23.279 -134.709,22.371 U16.12@-134.671,22.333
  Bottom Layer w0.3: v1(-136.271,43.155) -136.271,39.421 -135.357,38.506 v1(-135.357,34.747)
Input4: R63.1 U1.4 U16.10 | length 28.6
  Top Layer w0.3: v1(-135.28,42.443) -132.211,45.512 U1.4@-132.211,47.702 ; v1(-134.417,33.985) -134.417,29.159 -131.29,26.032 R63.1@-131.29,24.892
  Top Layer w0.4: U16.10@-132.131,22.333 -132.093,22.371 -132.093,23.609 -131.415,24.287 -131.415,24.766 R63.1@-131.29,24.892
  Bottom Layer w0.3: v1(-135.28,42.443) -135.28,39.548 -134.417,38.684 v1(-134.417,33.985)
INTVCC1: C52.1 U3.2 U3.25
JTCK_SWCLK: J1.4 U1.137 | length 64.5
  Top Layer w0.3: U1.137@-135.686,69.177 -139.09,69.177 -140.36,70.447 -140.36,72.111 -135.204,77.267 v1(-135.204,80.188) ; v1@-128.041,82.677 -93.345,82.677 -90.399,85.623 J1.4@-89.941,85.623
  Bottom Layer w0.3: v1(-135.204,80.188) -130.556,80.188 v1(-128.092,82.652)
JTDI: J1.8 U1.138 | length 71.4
  Top Layer w0.3: v1(-136.246,81.102) -136.246,77.394 -141.249,72.39 -141.249,70.175 -139.751,68.677 U1.138@-135.686,68.677 ; v1(-129.21,83.414) -94.014,83.414 -93.785,83.642 v1(-93.65,83.642) ; v1(-93.624,86.284) -93.529,86.379 -93.529,86.76 -90.421,89.868 -90.421,90.224 J1.8@-89.941,90.703
  Bottom Layer w0.3: v1(-136.246,81.102) -131.521,81.102 v1(-129.21,83.414) ; v1(-93.65,83.642) -93.637,83.655 -93.637,86.271 v1(-93.624,86.284)
JTDO-SWO: J1.6 U1.161 | length 90.1
  Top Layer w0.3: v1(-145.288,57.277) -147.066,59.055 -147.066,66.98 -144.577,69.469 -142.697,69.469 -141.986,70.18 -141.986,72.847 -137.135,77.699 v1(-137.135,82.118) ; v1(-141.376,57.175) -141.375,57.177 U1.161@-135.686,57.177 ; v1(-130.023,84.353) -94.386,84.353 -90.932,87.807 -90.872,87.807 -90.516,88.163 J1.6@-89.941,88.163
  Bottom Layer w0.3: v1(-145.288,57.277) -145.237,57.226 -141.427,57.226 v1(-141.376,57.175) ; v1(-137.135,82.118) -132.258,82.118 v1(-130.023,84.353)
JTMS_SWDIO: J1.2 U1.124 | length 51.3
  Top Layer w0.3: U1.124@-129.711,73.152 -129.711,71.952 -128.981,71.222 -126.67,71.222 v1(-126.594,71.145) ; v1(-126.238,74.752) -126.238,77.318 -125.501,78.054 -125.501,80.874 -124.485,81.89 -91.135,81.89 J1.2@-89.941,83.083
  Bottom Layer w0.3: v1(-126.594,71.145) -126.594,74.261 -126.238,74.617 v1(-126.238,74.752)
LED1: LED1.2 U1.153 | length 9
  Top Layer w0.3: LED1.2@-144.297,60.249 -143.332,60.249 -142.404,61.177 U1.153@-135.686,61.177
LED2: LED2.2 U1.88 | length 9.7
  Top Layer w0.3: U1.88@-110.236,71.177 -108.071,71.177 -103.505,75.743 LED2.2@-103.505,76.848
LED3: LED3.2 U1.89 | length 7
  Top Layer w0.3: U1.89@-112.211,73.152 -109.398,73.152 -108.28,74.27 LED3.2@-108.28,76.862
LED4: LED4.2 U1.133 | length 11.4
  Top Layer w0.3: LED4.2@-143.536,77.394 -140.31,77.394 v1(-139.522,76.606) ; v1(-137.058,74.193) -135.686,72.821 U1.133@-135.686,71.177
  Bottom Layer w0.3: v1(-139.522,76.606) -139.497,76.606 -137.084,74.193 v1(-137.058,74.193)
LS_OE: U1.87